# KiCad board AWS PROJECT.kicad_pcb
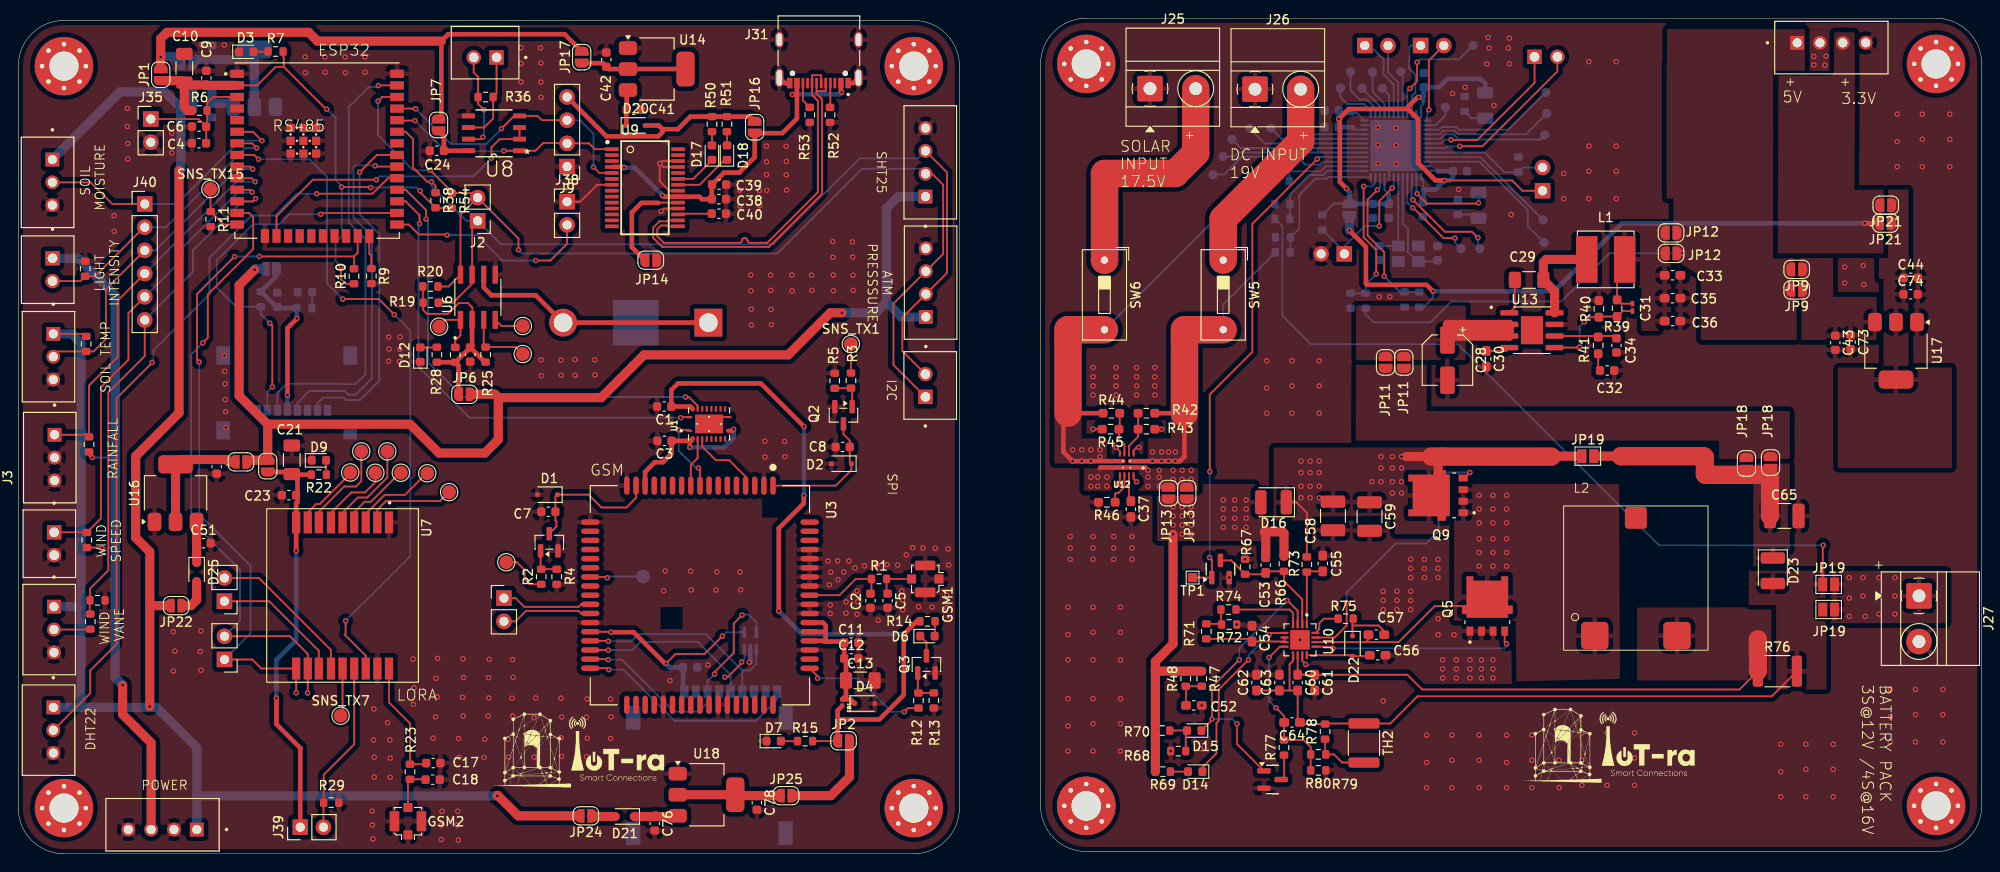
[diagram p0: board, top side]
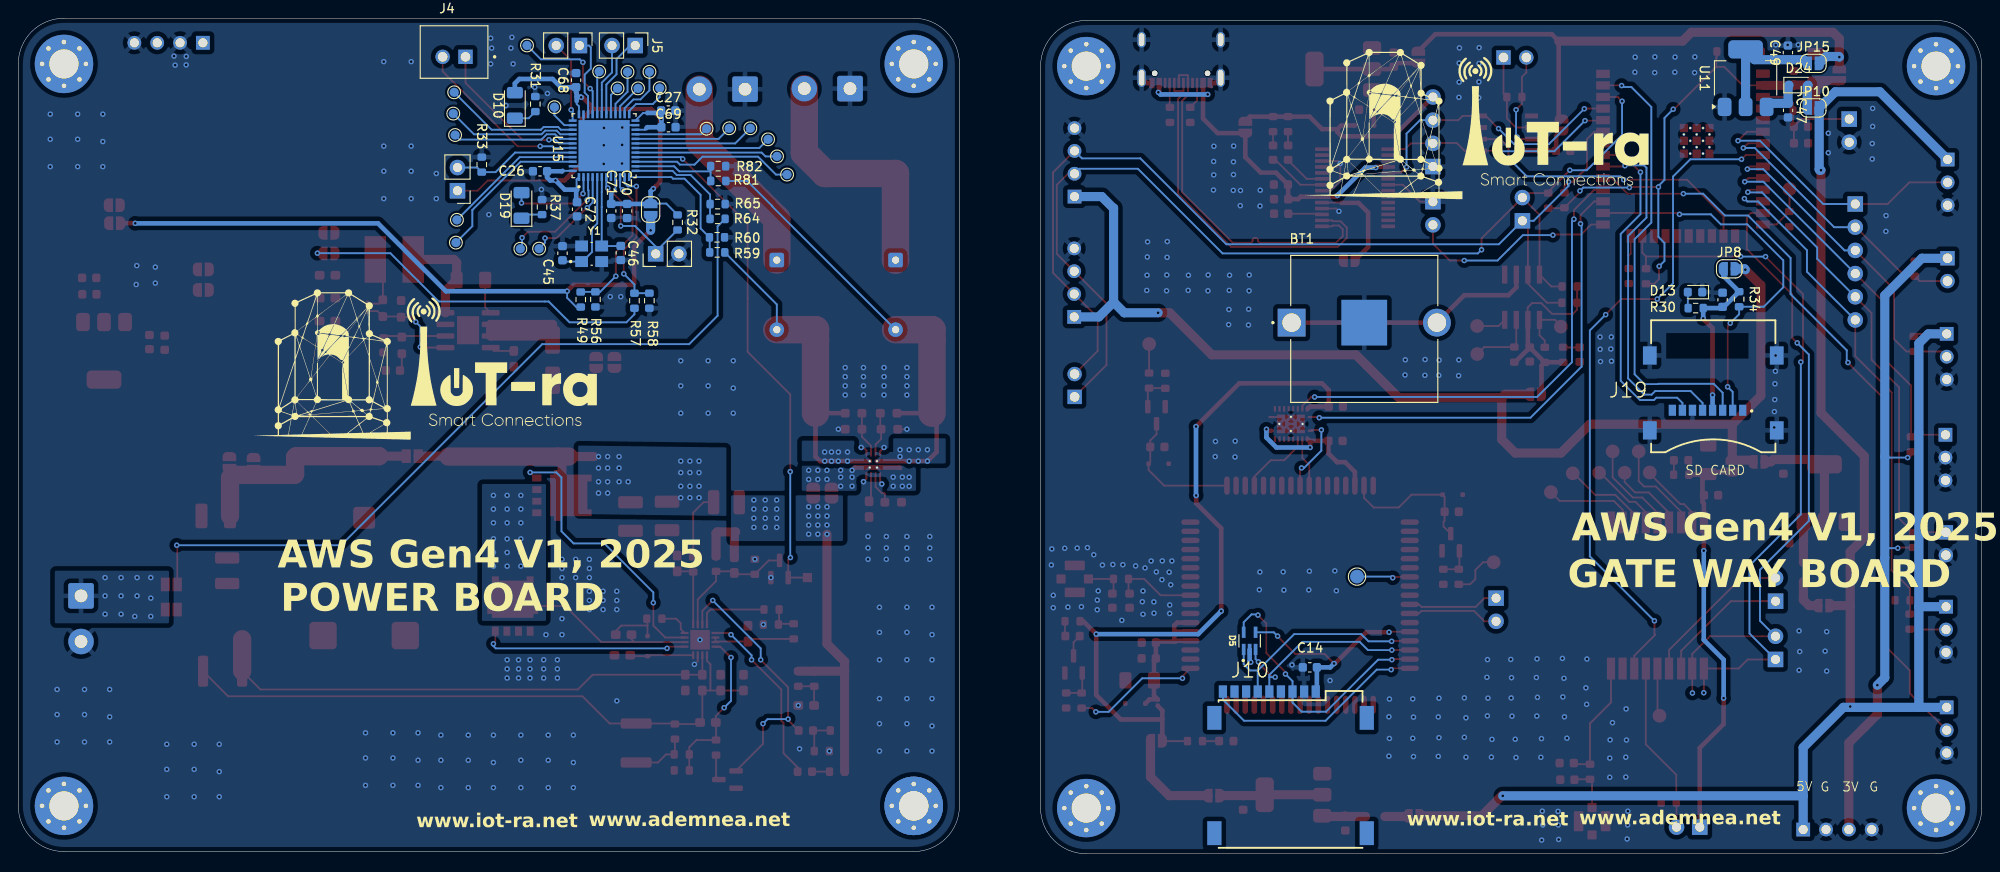
[diagram p1: board, bottom side, seen from below]

Outline 214.88 x 91.49 mm; copper layers: Top, Bottom. Coordinates in mm from the lower left corner of the outline.
Outline path: 111.88,5.24 111.88,86.49 arc(113.34,90.03) 116.88,91.49 209.88,91.49 arc(213.42,90.03) 214.88,86.49 214.88,5.24 arc(213.42,1.7) 209.88,0.24 116.88,0.24 arc(113.34,1.7) 111.88,5.24 ; 0,86.25 0,5 arc(1.46,1.46) 5,0 98,0 arc(101.54,1.46) 103,5 103,86.25 arc(101.54,89.79) 98,91.25 5,91.25 arc(1.46,89.79) 0,86.25

## Placement (name value [footprint] x y rotation side)
BT1  BHX1-1225-PC  [BAT_BHX1-1225-PC]  67.58 58.16 180 bottom
C1  0.1uF  [C_0603_1608Metric]  70.69 48.97 180 top
C2  Cm  [C_0603_1608Metric]  93.26 27.71 270 top  (not fitted)
C3  0.1uF  [C_0603_1608Metric]  70.72 45.21 180 top
C4  0.1uF  [C_0603_1608Metric]  19.77 77.81 0 top
C5  Cm  [C_0603_1608Metric]  95.14 27.71 270 top  (not fitted)
C6  1uF  [C_0603_1608Metric]  19.78 79.63 180 top
C7  0.1uF  [C_0603_1608Metric]  58.01 37.45 180 top
C8  0.1uF  [C_0603_1608Metric]  90.22 44.55 180 top
C9  0.1uF  [C_0603_1608Metric]  20.58 84.96 90 top
C10  22uF  [C_1206_3216Metric_Pad1.33x1.80mm_HandSolder]  18.17 86.02 90 top
C11  0.1uF  [C_0603_1608Metric]  91.16 23.12 0 top
C12  1uF  [C_0603_1608Metric]  91.16 21.39 0 top
C13  100uF  [C_1206_3216Metric_Pad1.33x1.80mm_HandSolder]  92.15 18.98 0 top
C14  0.1uF  [C_0603_1608Metric]  73.53 20.41 0 bottom
C17  Cm  [C_0603_1608Metric]  45.42 9.93 0 top  (not fitted)
C18  Cm  [C_0603_1608Metric]  45.35 8.11 0 top  (not fitted)
C21  10uF  [C_1206_3216Metric_Pad1.33x1.80mm_HandSolder]  29.93 43.14 90 top
C22  0.1uF  [C_0603_1608Metric]  49.46 54.67 270 top
C23  0.1uF  [C_0603_1608Metric]  29.62 39.26 180 top
C24  0.1uF  [C_0603_1608Metric]  45.8 76.98 180 top
C25  1uF  [C_0603_1608Metric]  28.36 60.66 90 bottom
C26  0.1uF  [C_0603_1608Metric]  157.79 74.73 0 bottom
C27  0.1uF  [C_0603_1608Metric]  143.75 81.38 180 bottom
C28  10uF  [CP_Elec_5x5.8]  156.4 54.05 270 top
C29  100nF  [C_1206_3216Metric_Pad1.33x1.80mm_HandSolder]  165.34 62.83 180 top
C30  10nF  [C_0603_1608Metric_Pad1.08x0.95mm_HandSolder]  160.65 54.19 270 top
C31  OPEN  [C_0201_0603Metric_Pad0.64x0.40mm_HandSolder]  176.65 59.83 270 top
C32  2.7nF  [C_0603_1608Metric]  173.88 52.92 0 top
C33  22uF  [C_0603_1608Metric_Pad1.08x0.95mm_HandSolder]  181.04 63.35 0 top
C34  33pF  [C_0603_1608Metric]  174.9 55.67 270 top
C35  22uF  [C_0603_1608Metric_Pad1.08x0.95mm_HandSolder]  181.04 60.84 0 top
C36  22uF  [C_0603_1608Metric_Pad1.08x0.95mm_HandSolder]  181.04 58.33 0 top
C37  0.01uF  [C_0603_1608Metric_Pad1.08x0.95mm_HandSolder]  121.77 37.74 270 top
C38  0.1uF  [C_0603_1608Metric]  76.68 71.68 0 top
C39  4.7uF  [C_0603_1608Metric]  76.7 73.28 0 top
C40  0.1uF  [C_0603_1608Metric]  76.67 70.09 0 top
C41  10uF  [C_0603_1608Metric]  67.36 81.48 0 top
C42  1uF  [C_0603_1608Metric]  64.35 86.96 90 top
C43  10uF  [C_0603_1608Metric]  198.86 55.96 270 top
C44  1uF  [C_0603_1608Metric]  207.12 63.06 0 top
C45  22pF  [C_0603_1608Metric]  155.32 65.76 270 bottom
C46  22pF  [C_0603_1608Metric]  148.94 65.79 90 bottom
C47  10uF  [C_0603_1608Metric]  21.19 81.41 270 bottom
C49  1uF  [C_0603_1608Metric]  21.21 87.73 90 bottom
C51  10uF  [C_0603_1608Metric]  20.28 34.01 0 top
C52  2.2uF  [C_0603_1608Metric_Pad1.08x0.95mm_HandSolder]  128.65 16.24 0 top
C53  22pF  [C_0603_1608Metric_Pad1.08x0.95mm_HandSolder]  136.52 31.61 270 top
C54  1uF  [C_0603_1608Metric_Pad1.08x0.95mm_HandSolder]  135.02 24.1 90 top
C55  1uF  [C_0603_1608Metric_Pad1.08x0.95mm_HandSolder]  142.77 31.79 90 top
C56  0.1uf  [C_0603_1608Metric_Pad1.08x0.95mm_HandSolder]  148.63 23.99 180 top
C57  1uF  [C_0603_1608Metric_Pad1.08x0.95mm_HandSolder]  148.77 21.74 0 top
C58  10uF  [C_1210_3225Metric_Pad1.33x2.70mm_HandSolder]  143.88 36.99 270 top
C59  10uF  [C_1210_3225Metric_Pad1.33x2.70mm_HandSolder]  147.88 36.93 270 top
C60  2.2uF  [C_0603_1608Metric_Pad1.08x0.95mm_HandSolder]  140.02 18.74 270 top
C61  0.1uF  [C_0603_1608Metric_Pad1.08x0.95mm_HandSolder]  141.88 18.74 270 top
C62  10uF  [C_0603_1608Metric_Pad1.08x0.95mm_HandSolder]  135.51 18.74 90 top
C63  1uF  [C_0603_1608Metric_Pad1.08x0.95mm_HandSolder]  138.02 18.74 90 top
C64  22pF  [C_0603_1608Metric_Pad1.08x0.95mm_HandSolder]  139.4 14.38 180 top
C65  10uF  [C_1210_3225Metric_Pad1.33x2.70mm_HandSolder]  193.27 36.99 0 top
C67  1uF  [C_0603_1608Metric]  21.71 42.39 270 top
C68  0.1uF  [C_0603_1608Metric]  153.84 84.71 90 bottom
C69  0.1uF  [C_0603_1608Metric]  143.72 79.56 180 bottom
C70  4.7uF  [C_0603_1608Metric]  148.25 70.38 270 bottom
C71  10nF  [C_0603_1608Metric]  149.99 70.39 270 bottom
C72  4.7uF  [C_0603_1608Metric]  153.73 70.57 270 bottom
C73  10uF  [C_0603_1608Metric]  200.53 56.03 270 top
C74  1uF  [C_0603_1608Metric]  207.1 61.26 0 top
C76  10uF  [C_0603_1608Metric]  69.65 3.32 270 top
C78  1uF  [C_0603_1608Metric]  80.83 5.59 270 top
D1  PESDHC3D3V3U  [D_SOD-323F]  57.91 39.32 180 top
D2  PESDHC3D3V3U  [D_SOD-323F]  90.08 42.71 180 top
D3  NET_LED  [D_0603_1608Metric]  24.95 87.82 0 top
D4  PESDHC3D3V3U  [D_SOD-323F]  92.63 16.45 0 top
D5  ESDA6V1W5  [SOT65P210X110-5N]  80.12 23.31 90 bottom
D6  NET_LED  [D_0603_1608Metric]  99.5 23.83 0 top
D7  NET_LED  [D_0603_1608Metric]  82.67 12.34 0 top
D9  NET_LED  [D_0603_1608Metric]  32.9 43.08 0 top
D10  red  [LED_1206_3216Metric]  160.54 81.94 90 bottom
D12  NET_LED  [D_0603_1608Metric]  44 54.66 90 top
D13  NET_LED  [D_0603_1608Metric]  31.38 61.5 0 bottom
D14  NET_LED  [D_0603_1608Metric]  128.81 8.99 180 top
D15  NET_LED  [D_0603_1608Metric]  128.69 13.49 180 top
D16  D  [D_1210_3225Metric]  137.38 38.49 180 top
D17  NET_LED  [D_0603_1608Metric]  75.91 76.78 90 top
D18  NET_LED  [D_0603_1608Metric]  77.56 76.78 90 top
D19  green  [LED_1206_3216Metric]  159.81 70.99 90 bottom
D20  1N5819WS  [D_SOD-323]  67.59 79.75 0 top
D21  1N5819WS  [D_SOD-323]  66.38 4.08 180 top
D22  PESDHC3D3V3U  [D_SOD-323F]  146.02 22.74 270 top
D23  D  [D_1210_3225Metric]  192.02 30.99 270 top
D24  1N5819WS  [D_SOD-323]  20.05 84.17 180 bottom
D25  1N5819WS  [D_SOD-323]  19.52 30.85 270 top
FB1  FerriteBead_Small  [BEADC0603X33N]  90.18 16.55 270 top
GSM1  U.FL-R-SMT(10)  [U.FL_Molex_MCRF_73412-0110_Vertical]  99.26 30.09 270 top
GSM2  U.FL-R-SMT(10)  [U.FL_Molex_MCRF_73412-0110_Vertical]  42.64 3.56 180 top
J1  Conn_01x02_Pin  [PinHeader_1x02_P2.54mm_Vertical]  53.15 27.99 0 top
J2  Conn_01x02_Pin  [PinHeader_1x02_P2.54mm_Vertical]  50.27 69.31 180 top
J3  B3B-XH-A_LF__SN_  [JST_B3B-XH-A_LF__SN_]  3.45 43.38 90 top
J4  B2B-XH-A_LF__SN_  [JST_B2B-XH-A_LF__SN_]  167.19 87.79 180 bottom
J5  Conn_01x02_Pin  [PinHeader_1x02_P2.54mm_Vertical]  147.36 88.5 270 bottom
J6  Conn_01x02_Pin  [PinHeader_1x02_P2.54mm_Vertical]  153.47 88.5 270 bottom
J7  Conn_01x02_Pin  [PinHeader_1x02_P2.54mm_Vertical]  166.82 72.6 0 bottom
J8  Conn_01x02_Pin  [PinHeader_1x02_P2.54mm_Vertical]  145.12 65.69 90 bottom
J9  Conn_01x04_Pin  [PinHeader_1x04_P2.54mm_Vertical]  60.06 75.25 180 top
J10  SIM7100-8-1-15-00-A_REVC  [GCT_SIM7100-8-1-15-00-A_REVC]  75.64 9.54 180 bottom
J12  Conn_01x02_Pin  [PinHeader_1x02_P2.54mm_Vertical]  22.57 21.27 180 top
J13  Conn_01x02_Pin  [PinHeader_1x02_P2.54mm_Vertical]  22.56 27.66 180 top
J14  B2B-XH-A_LF__SN_  [JST_B2B-XH-A_LF__SN_]  3.4 33.95 90 top
J15  B2B-XH-A_LF__SN_  [JST_B2B-XH-A_LF__SN_]  3.22 63.96 90 top
J17  B4B-XH-A_LF__SN_  [JST_B4B-XH-A_LF__SN_]  99.81 75.71 270 top
J18  B4B-XH-A_LF__SN_  [JST_B4B-XH-A_LF__SN_]  15.79 3.17 0 top
J19  MEM2067-02-180-00-A_REVB  [GCT_MEM2067-02-180-00-A_REVB]  29.38 51.19 180 bottom
J20  B3B-XH-A_LF__SN_  [JST_B3B-XH-A_LF__SN_]  3.2 73.52 90 top
J21  B3B-XH-A_LF__SN_  [JST_B3B-XH-A_LF__SN_]  3.3 54.43 90 top
J24  B2B-XH-A_LF__SN_  [JST_B2B-XH-A_LF__SN_]  51.09 87.72 0 top
J25  Screw_Terminal_01x02  [TerminalBlock_MetzConnect_Type011_RT05502HBWC_1x02_P5.00mm_Horizontal]  123.86 83.79 0 top
J26  Screw_Terminal_01x02  [TerminalBlock_MetzConnect_Type011_RT05502HBWC_1x02_P5.00mm_Horizontal]  135.35 83.72 0 top
J27  Screw_Terminal_01x02  [TerminalBlock_MetzConnect_Type011_RT05502HBWC_1x02_P5.00mm_Horizontal]  208.01 28.24 270 top
J28  B4B-XH-A_LF__SN_  [JST_B4B-XH-A_LF__SN_]  99.84 62.54 270 top
J29  B2B-XH-A_LF__SN_  [JST_B2B-XH-A_LF__SN_]  99.8 51.28 270 top
J31  TYPE-C-31-M-12  [HRO_TYPE-C-31-M-12]  87.62 89.14 180 top
J32  B3B-XH-A_LF__SN_  [JST_B3B-XH-A_LF__SN_]  3.31 13.53 90 top
J35  Conn_01x02_Pin  [PinHeader_1x02_P2.54mm_Vertical]  14.5 80.45 0 top
J36  B4B-XH-A_LF__SN_  [JST_B4B-XH-A_LF__SN_]  198.43 88.28 180 top
J37  B3B-XH-A_LF__SN_  [JST_B3B-XH-A_LF__SN_]  3.38 24.55 90 top
J38  Conn_01x02_Pin  [PinHeader_1x02_P2.54mm_Vertical]  60.06 71.41 0 top
J39  Conn_01x02_Pin  [PinHeader_1x02_P2.54mm_Vertical]  30.86 2.91 90 top
J40  Conn_01x06_Pin  [PinHeader_1x06_P2.54mm_Vertical]  13.84 71.15 0 top
JP1  Jumper_2_Small_Open  [SolderJumper-2_P1.3mm_Open_RoundedPad1.0x1.5mm]  15.59 85.31 90 top
JP2  Jumper_2_Small_Open  [SolderJumper-2_P1.3mm_Open_RoundedPad1.0x1.5mm]  90.32 12.37 0 top
JP4  Jumper_2_Small_Open  [SolderJumper-2_P1.3mm_Open_RoundedPad1.0x1.5mm]  27.3 42.45 90 top
JP6  Jumper_2_Small_Open  [SolderJumper-2_P1.3mm_Open_RoundedPad1.0x1.5mm]  48.83 50.31 0 top
JP7  Jumper_2_Small_Open  [SolderJumper-2_P1.3mm_Open_RoundedPad1.0x1.5mm]  45.99 79.8 90 top
JP8  Jumper_2_Small_Open  [SolderJumper-2_P1.3mm_Open_RoundedPad1.0x1.5mm]  27.63 64.05 180 bottom
JP9  Jumper_2_Small_Open  [SolderJumper-2_P1.3mm_Open_RoundedPad1.0x1.5mm]  194.63 63.99 180 top
JP9#2  Jumper_2_Small_Open  [SolderJumper-2_P1.3mm_Open_RoundedPad1.0x1.5mm]  194.63 61.74 180 top
JP10  Jumper_2_Small_Open  [SolderJumper-2_P1.3mm_Open_RoundedPad1.0x1.5mm]  18.44 81.67 180 bottom
JP11  Jumper_2_Small_Open  [SolderJumper-2_P1.3mm_Open_RoundedPad1.0x1.5mm#2]  151.64 53.8 270 top
JP11#2  Jumper_2_Small_Open  [SolderJumper-2_P1.3mm_Open_RoundedPad1.0x1.5mm]  149.64 53.8 270 top
JP12  Jumper_2_Small_Open  [SolderJumper-2_P1.3mm_Open_RoundedPad1.0x1.5mm]  180.88 65.74 0 top
JP12#2  Jumper_2_Small_Open  [SolderJumper-2_P1.3mm_Open_RoundedPad1.0x1.5mm]  180.88 67.99 0 top
JP13  Jumper_2_Small_Open  [SolderJumper-2_P1.3mm_Open_RoundedPad1.0x1.5mm]  125.88 39.49 270 top
JP13#2  Jumper_2_Small_Open  [SolderJumper-2_P1.3mm_Open_RoundedPad1.0x1.5mm]  127.88 39.49 270 top
JP14  Jumper_2_Small_Open  [SolderJumper-2_P1.3mm_Open_RoundedPad1.0x1.5mm]  69.22 65 0 top
JP15  Jumper_2_Small_Open  [SolderJumper-2_P1.3mm_Open_RoundedPad1.0x1.5mm]  18.43 86.55 180 bottom
JP16  Jumper_2_Small_Open  [SolderJumper-2_P1.3mm_Open_RoundedPad1.0x1.5mm]  80.59 79.56 90 top
JP17  Jumper_2_Small_Open  [SolderJumper-2_P1.3mm_Open_RoundedPad1.0x1.5mm]  61.66 87.23 90 top
JP18  Jumper_2_Small_Open  [SolderJumper-2_P1.3mm_Open_RoundedPad1.0x1.5mm]  191.77 42.84 90 top
JP18#2  Jumper_2_Small_Open  [SolderJumper-2_P1.3mm_Open_RoundedPad1.0x1.5mm]  189.13 42.74 90 top
JP19  Jumper_2_Small_Open  [SolderJumper-2_P1.3mm_Open_Pad1.0x1.5mm]  198.13 26.74 0 top
JP19#2  Jumper_2_Small_Open  [SolderJumper-2_P1.3mm_Open_Pad1.0x1.5mm]  171.77 43.54 0 top
JP19#3  Jumper_2_Small_Open  [SolderJumper-2_P1.3mm_Open_Pad1.0x1.5mm]  198.13 29.49 0 top
JP20  Jumper_2_Small_Open  [SolderJumper-2_P1.3mm_Open_RoundedPad1.0x1.5mm]  145.68 70.54 270 bottom
JP21  Jumper_2_Small_Open  [SolderJumper-2_P1.3mm_Open_RoundedPad1.0x1.5mm]  204.38 71.02 180 top
JP21#2  Jumper_2_Small_Open  [SolderJumper-2_P1.3mm_Open_RoundedPad1.0x1.5mm]  204.34 69.05 180 top
JP22  Jumper_2_Small_Open  [SolderJumper-2_P1.3mm_Open_RoundedPad1.0x1.5mm]  17.27 27.17 180 top
JP23  Jumper_2_Small_Open  [SolderJumper-2_P1.3mm_Open_RoundedPad1.0x1.5mm]  24.37 42.91 0 top
JP24  Jumper_2_Small_Open  [SolderJumper-2_P1.3mm_Open_RoundedPad1.0x1.5mm]  62.12 4.15 180 top
JP25  Jumper_2_Small_Open  [SolderJumper-2_P1.3mm_Open_RoundedPad1.0x1.5mm]  84.03 6.36 0 top
L1  SRN6045TA-3R3Y  [L_Bourns_SRN6045TA]  173.73 65.08 0 top
L2  6.1uH  [CDEP147NP-6R1MC-95]  177.03 23.89 0 top
NOREF  -  [unnamed]  116.88 5.24 0 top
PB1  TestPoint  [TestPoint_Pad_D1.0mm]  131.85 76.36 90 bottom
PB2  TestPoint  [TestPoint_Pad_D1.0mm]  149.3 83.81 90 bottom
PB3  TestPoint  [TestPoint_Pad_D1.0mm]  130.75 74.37 90 bottom
PB4  TestPoint  [TestPoint_Pad_D1.0mm]  151.31 85.65 90 bottom
PB5  TestPoint  [TestPoint_Pad_D1.0mm]  159.21 88.51 90 bottom
PB6  TestPoint  [TestPoint_Pad_D1.0mm]  157.89 66.26 90 bottom
PB7  TestPoint  [TestPoint_Pad_D1.0mm]  159.94 66.25 90 bottom
PB8  TestPoint  [TestPoint_Pad_D1.0mm]  156.21 81.75 0 bottom
PB9  TestPoint  [TestPoint_Pad_D1.0mm]  137.08 79.44 0 bottom
PB11  TestPoint  [TestPoint_Pad_D1.0mm]  166.88 69.41 90 bottom
PB12  TestPoint  [TestPoint_Pad_D1.0mm]  166.99 66.92 90 bottom
PB13  TestPoint  [TestPoint_Pad_D1.0mm]  139.56 79.39 90 bottom
PB14  TestPoint  [TestPoint_Pad_D1.0mm]  144.69 83.84 90 bottom
PB15  TestPoint  [TestPoint_Pad_D1.0mm]  145.81 85.62 90 bottom
PB16  TestPoint  [TestPoint_Pad_D1.0mm]  147.06 83.81 90 bottom
PB17  TestPoint  [TestPoint_Pad_D1.0mm]  148.21 85.61 90 bottom
PB18  TestPoint  [TestPoint_Pad_D1.0mm]  167.08 78.7 90 bottom
PB19  TestPoint  [TestPoint_Pad_D1.0mm]  167.28 81.05 90 bottom
PB20  TestPoint  [TestPoint_Pad_D1.0mm]  167.18 83.38 90 bottom
PB21  TestPoint  [TestPoint_Pad_D1.0mm]  132.83 78.23 90 bottom
PB22  TestPoint  [TestPoint_Pad_D1.0mm]  134.77 79.44 90 bottom
Q1  MMBT3904  [SOT-23]  58.11 34.11 90 top
Q2  MMBT3904  [SOT-23]  90.31 48.02 270 top
Q3  MMBT3904  [SOT-23]  99.39 20.73 90 top
Q4  2N7002  [Q_SOT-23]  131.57 31.18 90 top
Q5  NMOS  [TRANS_NVMFS5834NLWFT1G]  160.77 27.12 90 top
Q9  NMOS  [TRANS_NVMFS5834NLWFT1G]  155.38 39.24 180 top
Q12  2N7002  [Q_SOT-23]  137.27 8.13 0 top
R1  0R  [R_0603_1608Metric]  94.2 30.09 0 top
R2  4.7k  [R_0603_1608Metric]  57.23 30.33 90 top
R3  4.7k  [R_0603_1608Metric]  91.13 51.81 270 top
R4  4.7k  [R_0603_1608Metric]  58.92 30.33 90 top
R5  4.7k  [R_0603_1608Metric]  89.35 51.79 270 top
R6  10k  [R_0603_1608Metric]  19.83 81.39 0 top
R7  1k  [R_0603_1608Metric]  28.16 87.85 0 top
R8  10k  [R_0603_1608Metric]  7.32 64.06 270 top
R9  10k  [R_0603_1608Metric]  38.64 63.26 270 top
R10  10k  [R_0603_1608Metric]  36.74 63.24 90 top  (not fitted)
R11  10k  [R_0603_1608Metric]  21.06 69.49 270 top
R12  4.7k  [R_0603_1608Metric]  98.51 16.77 90 top
R13  4.7k  [R_0603_1608Metric]  100.2 16.78 90 top
R14  1k  [R_0603_1608Metric]  99.51 25.45 180 top
R15  1k  [R_0603_1608Metric]  86.1 12.33 0 top
R19  4.7k  [R_0603_1608Metric]  45.13 60.34 180 top
R20  4.7k  [R_0603_1608Metric]  45.1 62.12 180 top
R22  1k  [R_0603_1608Metric]  32.89 41.51 180 top
R23  0R  [R_0603_1608Metric]  42.87 8.98 270 top
R24  4.7k  [R_0603_1608Metric]  47.82 54.63 270 top
R25  4.7k  [R_0603_1608Metric]  51.15 54.66 270 top
R28  1k  [R_0603_1608Metric]  45.81 54.65 270 top
R29  10k  [R_0603_1608Metric]  34.25 5.6 180 top
R30  1k  [R_0603_1608Metric]  31.3 59.75 180 bottom
R31  10K  [R_0603_1608Metric]  158.3 82.09 270 bottom
R32  10K  [R_0603_1608Metric]  142.73 69.13 90 bottom
R33  10K  [R_0603_1608Metric]  164.16 75.46 270 bottom
R34  1k  [R_0603_1608Metric]  26.55 60.72 90 bottom
R35  4.7k  [R_0603_1608Metric]  7.43 55.83 90 top
R36  120  [R_0603_1608Metric]  51.14 82.86 0 top
R37  330  [R_0603_1608Metric]  157.56 70.81 270 bottom
R38  4.7k  [R_0603_1608Metric]  45.67 71.56 270 top
R39  5K1  [R_0603_1608Metric_Pad0.98x0.95mm_HandSolder]  174.98 59.74 270 top
R40  5K1  [R_0603_1608Metric_Pad0.98x0.95mm_HandSolder]  172.98 59.67 90 top
R41  5K1  [R_0603_1608Metric_Pad0.98x0.95mm_HandSolder]  172.9 55.67 90 top
R42  23.7k  [R_0603_1608Metric_Pad0.98x0.95mm_HandSolder]  123.47 48.24 180 top
R43  5k  [R_0603_1608Metric_Pad0.98x0.95mm_HandSolder]  123.47 46.49 0 top
R44  23.7k  [R_0603_1608Metric_Pad0.98x0.95mm_HandSolder]  119.63 48.24 0 top
R45  5k  [R_0603_1608Metric_Pad0.98x0.95mm_HandSolder]  119.54 46.49 180 top
R46  51.1K  [R_0603_1608Metric_Pad0.98x0.95mm_HandSolder]  119.13 38.49 180 top
R47  3.9  [R_0603_1608Metric]  129.52 19.16 90 top
R48  3.9  [R_0603_1608Metric]  127.77 19.16 90 top
R49  10K  [R_0603_1608Metric]  153.33 60.69 90 bottom
R50  270R  [R_0603_1608Metric]  75.92 79.89 90 top
R51  270R  [R_0603_1608Metric]  77.56 79.89 90 top
R52  5.1k  [R_0603_1608Metric]  88.84 80.91 90 top
R53  5.1k  [R_0603_1608Metric]  86.62 80.91 90 top
R54  4.7k  [R_0603_1608Metric]  47.44 71.52 270 top
R55  4.7k  [R_0603_1608Metric]  7.5 34.35 270 top
R56  20k  [R_0603_1608Metric]  151.72 60.7 270 bottom
R57  10K  [R_0603_1608Metric]  147.45 60.56 90 bottom
R58  13k  [R_0603_1608Metric]  145.82 60.56 270 bottom
R59  10K  [R_0603_1608Metric]  138.39 65.85 0 bottom
R60  1.5K  [R_0603_1608Metric]  138.41 67.5 180 bottom
R61  4.7k  [R_0603_1608Metric]  7.74 44.83 270 top
R62  10K  [R_0603_1608Metric]  7.88 25.42 90 top
R63  20K  [R_0603_1608Metric]  8.67 27.75 180 top
R64  10K  [R_0603_1608Metric]  138.35 69.52 0 bottom
R65  2k  [R_0603_1608Metric]  138.34 71.14 180 bottom
R66  499K  [R_0603_1608Metric]  138.52 31.75 90 top
R67  36K  [R_0603_1608Metric]  134.27 31.42 270 top
R68  25k  [R_0603_1608Metric]  126.94 11.24 0 top
R69  10K  [R_0603_1608Metric]  125.27 8.99 180 top
R70  10K  [R_0603_1608Metric]  125.19 13.49 180 top
R71  5.23k  [R_0603_1608Metric]  130.02 24.35 270 top
R72  7.5k  [R_0603_1608Metric]  132.52 25.1 180 top
R73  10  [R_0603_1608Metric]  141.02 31.67 90 top
R74  100  [R_0603_1608Metric]  132.44 26.74 0 top
R75  2.2  [R_0603_1608Metric]  145.27 25.74 180 top
R76  10  [R_1812_4532Metric]  192.52 19.99 0 top
R77  4.22M  [R_0603_1608Metric]  138.52 11.63 90 top
R78  154k  [R_0603_1608Metric]  143.02 13.38 90 top
R79  887k  [R_0603_1608Metric]  142.27 10.88 0 top
R80  162k  [R_0603_1608Metric]  142.27 9.13 180 top
R81  10K  [R_0603_1608Metric]  138.28 73.67 0 bottom
R82  1.2K  [R_0603_1608Metric]  138.29 75.29 180 bottom
REF**  -  [MountingHole_3.2mm_M3_Pad_Via]  98 5 0 top
REF**#2  -  [MountingHole_3.2mm_M3_Pad_Via]  98 86.25 90 top
REF**#3  -  [MountingHole_3.2mm_M3_Pad_Via]  209.88 5.24 0 top
REF**#4  -  [MountingHole_3.2mm_M3_Pad_Via]  5 5 270 top
REF**#5  -  [MountingHole_3.2mm_M3_Pad_Via]  116.88 5.24 270 top
REF**#6  -  [MountingHole_3.2mm_M3_Pad_Via]  209.88 86.49 90 top
REF**#7  -  [MountingHole_3.2mm_M3_Pad_Via]  116.88 86.49 180 top
REF**#8  -  [MountingHole_3.2mm_M3_Pad_Via]  5 86.25 180 top
SNS_TX1  TestPoint  [TestPoint_Pad_D1.5mm]  91.12 55.82 0 top
SNS_TX2  TestPoint  [TestPoint_Pad_D1.5mm]  39.08 41.72 0 top
SNS_TX3  TestPoint  [TestPoint_Pad_D1.5mm]  40.39 44.06 0 top
SNS_TX4  TestPoint  [TestPoint_Pad_D1.5mm]  41.87 41.72 0 top
SNS_TX5  TestPoint  [TestPoint_Pad_D1.5mm]  44.76 41.66 0 top
SNS_TX6  TestPoint  [TestPoint_Pad_D1.5mm]  47.15 39.6 0 top
SNS_TX7  TestPoint  [TestPoint_Pad_D1.5mm]  35.27 15.11 0 top
SNS_TX8  TestPoint  [TestPoint_Pad_D1.5mm]  46.06 57.72 0 top
SNS_TX9  TestPoint  [TestPoint_Pad_D1.5mm]  55.21 54.72 0 top
SNS_TX10  TestPoint  [TestPoint_Pad_D1.5mm]  55.22 57.79 0 top
SNS_TX11  TestPoint  [TestPoint_Pad_D1.5mm]  37.54 44.06 0 top
SNS_TX12  TestPoint  [TestPoint_Pad_D1.5mm]  36.33 41.75 0 top
SNS_TX13  TestPoint  [TestPoint_Pad_D1.5mm]  53.41 31.92 0 top
SNS_TX14  TestPoint  [TestPoint_Pad_D1.5mm]  68.37 30.35 180 bottom
SNS_TX15  TestPoint  [TestPoint_Pad_D1.5mm]  21.03 72.78 0 top
SW5  SW_SPST  [SW_DIP_SPSTx01_Slide_9.78x4.72mm_W7.62mm_P2.54mm]  131.87 65.01 270 top
SW6  SW_SPST  [SW_DIP_SPSTx01_Slide_9.78x4.72mm_W7.62mm_P2.54mm]  118.87 65.01 270 top
TH2  100k  [R_1812_4532Metric]  147.27 12.13 270 top
TP1  TestPoint  [TestPoint_Pad_1.0x1.0mm]  128.52 30.24 180 top
U1  TXB0108RGYR  [IC_TXB0108RGYR]  75.6 47.06 90 top
U2  ESP32-WROOM-32E__4MB_HIGH_TEMP_  [MODULE_ESP32-WROOM-32UE_M113EH6400UH3Q0_]  32.7 77 0 top
U3  SIM7000E  [SIMCON_SIM7000E]  74.6 28.31 270 top
U6  DS3231MZ_TRL  [SOIC127P600X175-8N#2]  50.3 60.94 90 top
U7  Ai-Thinker RA-08H  [RA-08H]  35.49 28.28 270 top
U8  ST3485EBDR  [SOIC127P600X175-8N]  52.06 78.89 180 top
U9  FT232RL-REEL  [SOP65P780X200-28N]  68.58 72.93 0 top
U10  BQ24650RVAR  [QFN50P350X350X100-17N]  140.27 23.42 270 top
U11  AMS1117-3.3  [SOT-223-3_TabPin2]  25.84 84.93 90 bottom
U12  TPS2121RUXR  [IC_TPS2121RUXR]  121.3 42.64 180 top
U13  AP64501SP-13  [SOIC127P600X170-9N]  165.65 57.33 0 top
U14  AMS1117-3.3  [SOT-223-3_TabPin2]  69.87 85.93 0 top
U15  STM32F401CCU6  [QFN50P700X700X60-49N]  150.77 77.53 90 bottom
U16  AMS1117-3.3  [SOT-223-3_TabPin2]  17.21 39.49 90 top
U17  AMS1117-3.3  [SOT-223-3_TabPin2]  205.5 55.07 270 top
U18  AMS1117-3.3  [SOT-223-3_TabPin2]  75.32 6.46 0 top
Y1  C3E-25.000-12-3030-X-R  [XTAL_C3E-25.000-12-3030-X-R]  152.13 65.7 180 bottom
